# KiCad board FrontEnd_5G.kicad_pcb (continued)
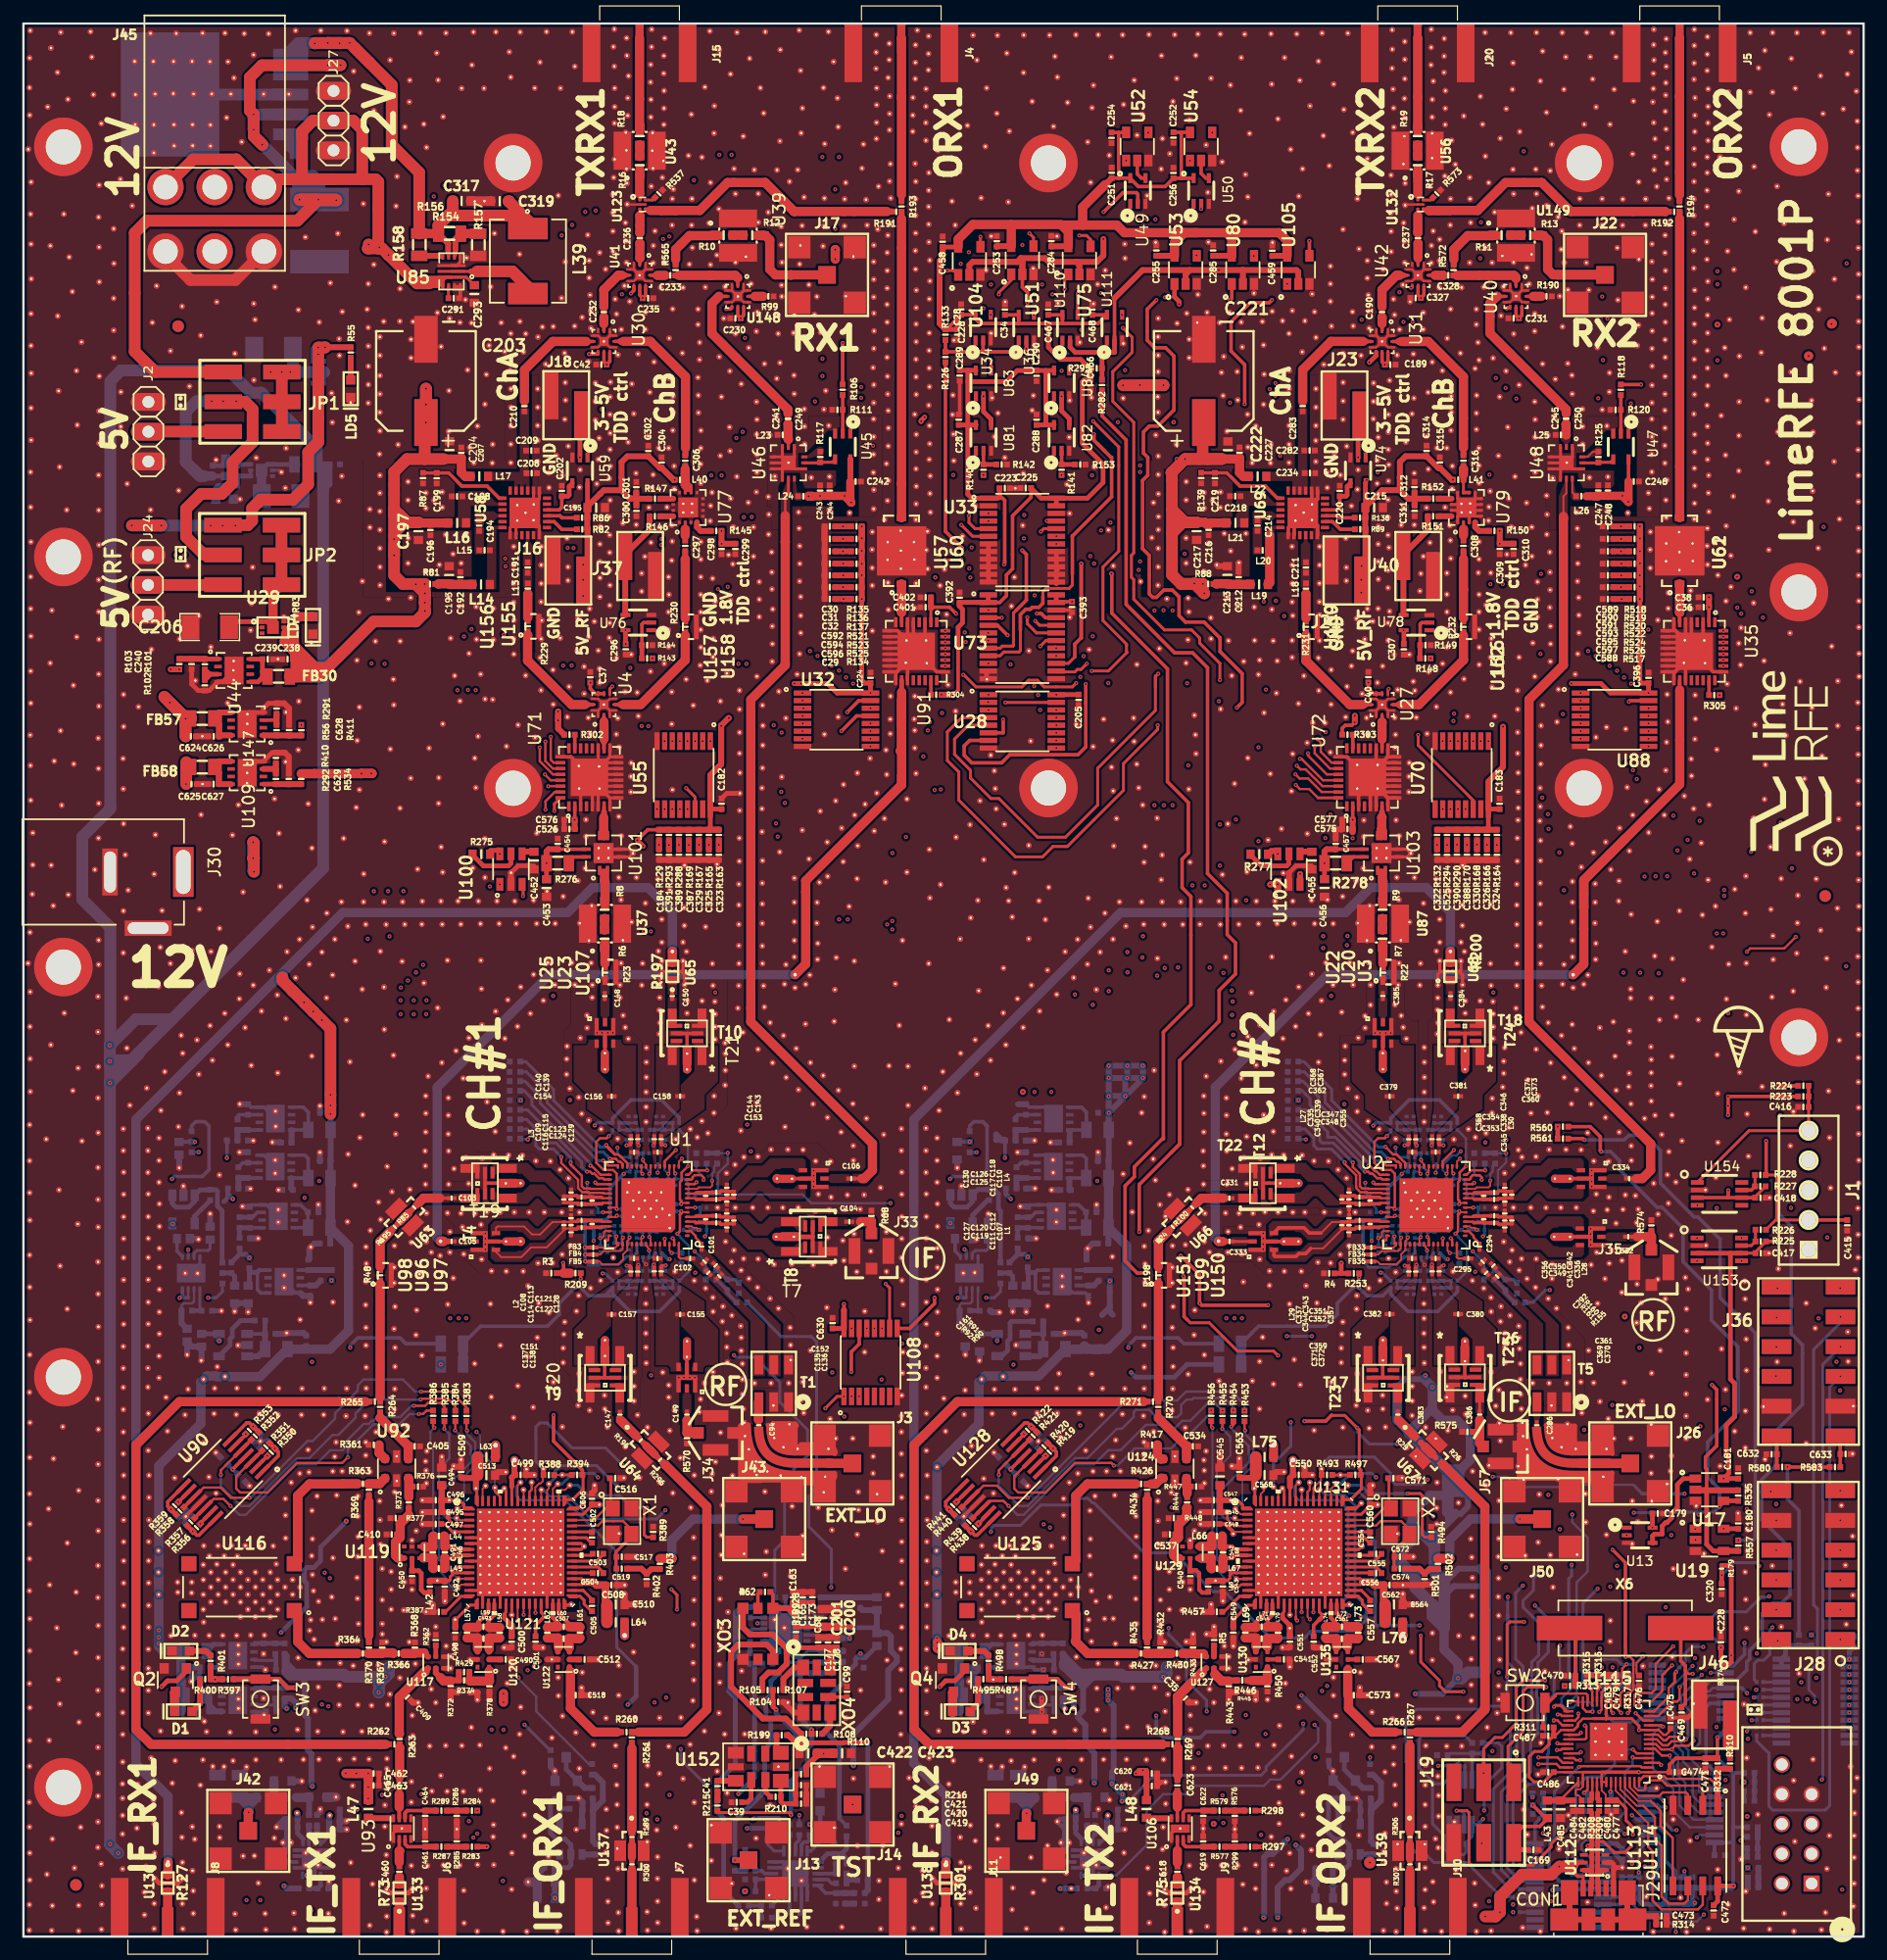
[diagram p0: board, top side]
## Placement (name value [footprint] x y rotation side) (continued)
GND_VIA#1165  VAL**  [GND_VIA#3]  146.13 89.38 90 top
GND_VIA#1166  VAL**  [GND_VIA#3]  149.39 85.4 90 top
GND_VIA#1167  VAL**  [GND_VIA#3]  147.13 78.66 90 top
GND_VIA#1168  VAL**  [GND_VIA#3]  134.07 92.51 90 top
GND_VIA#1169  VAL**  [GND_VIA#3]  145.8 115.18 90 top
GND_VIA#1170  VAL**  [GND_VIA#3]  144.67 71.94 90 top
GND_VIA#1171  VAL**  [GND_VIA#3]  146.55 73.75 90 top
GND_VIA#1172  VAL**  [GND_VIA#3]  151.52 88.86 90 top
GND_VIA#1173  VAL**  [GND_VIA#3]  151.48 86.5 90 top
GND_VIA#1174  VAL**  [GND_VIA#3]  145.61 82.99 90 top
GND_VIA#1175  VAL**  [GND_VIA#3]  142.73 102.19 90 top
GND_VIA#1176  VAL**  [GND_VIA#3]  155.79 59.57 90 top
GND_VIA#1177  VAL**  [GND_VIA#3]  146.99 55.93 90 top
GND_VIA#1178  VAL**  [GND_VIA#3]  147.01 54.42 90 top
GND_VIA#1179  VAL**  [GND_VIA#3]  141.98 49.8 90 top
GND_VIA#1180  VAL**  [GND_VIA#3]  141.98 42.5 90 top
GND_VIA#1181  VAL**  [GND_VIA#3]  143.81 45.83 90 top
GND_VIA#1182  VAL**  [GND_VIA#3]  141.98 44.42 90 top
GND_VIA#1183  VAL**  [GND_VIA#3]  142.15 55.25 90 top
GND_VIA#1184  VAL**  [GND_VIA#3]  146.12 43.12 90 top
GND_VIA#1185  VAL**  [GND_VIA#3]  147.05 44.86 90 top
GND_VIA#1186  VAL**  [GND_VIA#3]  144.88 40.15 90 top
GND_VIA#1187  VAL**  [GND_VIA#3]  147.22 38.25 90 top
GND_VIA#1188  VAL**  [GND_VIA#3]  147.04 41.71 90 top
GND_VIA#1189  VAL**  [GND_VIA#3]  145.34 46.68 90 top
GND_VIA#1190  VAL**  [GND_VIA#3]  146.41 36.12 90 top
GND_VIA#1191  VAL**  [GND_VIA#3]  147.23 32.9 90 top
GND_VIA#1192  VAL**  [GND_VIA#3]  147.23 34.71 90 top
GND_VIA#1193  VAL**  [GND_VIA#3]  156.25 2.58 90 top
GND_VIA#1194  VAL**  [GND_VIA#3]  154.21 8.61 90 top
GND_VIA#1195  VAL**  [GND_VIA#3]  156.21 29.14 90 top
GND_VIA#1196  VAL**  [GND_VIA#3]  147.07 28.77 90 top
GND_VIA#1197  VAL**  [GND_VIA#3]  147.15 15.25 90 top
GND_VIA#1198  VAL**  [GND_VIA#3]  147.13 26.29 90 top
GND_VIA#1199  VAL**  [GND_VIA#3]  147.02 31.11 90 top
GND_VIA#1200  VAL**  [GND_VIA#3]  141.91 56.25 90 top
GND_VIA#1201  VAL**  [GND_VIA#3]  63.85 0.71 180 top
GND_VIA#1202  VAL**  [GND_VIA#3]  57.49 1.7 180 top
GND_VIA#1203  VAL**  [GND_VIA#3]  60.85 0.69 180 top
GND_VIA#1204  VAL**  [GND_VIA#3]  57.53 0.48 180 top
GND_VIA#1205  VAL**  [GND_VIA#3]  142.02 0.39 180 top
GND_VIA#1206  VAL**  [GND_VIA#3]  143.89 0.68 180 top
GND_VIA#1207  VAL**  [GND_VIA#3]  146.89 0.7 180 top
GND_VIA#1208  VAL**  [GND_VIA#3]  124.08 0.44 180 top
GND_VIA#1209  VAL**  [GND_VIA#3]  139.17 0.42 180 top
GND_VIA#1210  VAL**  [GND_VIA#3]  125.33 0.49 180 top
GND_VIA#1211  VAL**  [GND_VIA#3]  128.02 0.76 180 top
GND_VIA#1212  VAL**  [GND_VIA#3]  123.97 2.69 180 top
GND_VIA#1213  VAL**  [GND_VIA#3]  129.53 0.44 180 top
GND_VIA#1214  VAL**  [GND_VIA#3]  147.07 3.86 180 top
GND_VIA#1215  VAL**  [GND_VIA#3]  146.67 6.59 180 top
GND_VIA#1216  VAL**  [GND_VIA#3]  148.1 10.42 180 top
GND_VIA#1217  VAL**  [GND_VIA#3]  104.33 0.63 180 top
GND_VIA#1218  VAL**  [GND_VIA#3]  106.83 0.58 180 top
GND_VIA#1219  VAL**  [GND_VIA#3]  107.86 5.61 180 top
GND_VIA#1220  VAL**  [GND_VIA#3]  108.14 0.44 180 top
GND_VIA#1221  VAL**  [GND_VIA#3]  111.33 0.58 180 top
GND_VIA#1222  VAL**  [GND_VIA#3]  108.22 4.08 180 top
GND_VIA#1223  VAL**  [GND_VIA#3]  109.97 7.38 180 top
GND_VIA#1224  VAL**  [GND_VIA#3]  105.21 4.09 180 top
GND_VIA#1225  VAL**  [GND_VIA#3]  109.36 0.5 180 top
GND_VIA#1226  VAL**  [GND_VIA#3]  104.13 4.45 180 top
GND_VIA#1227  VAL**  [GND_VIA#3]  66.89 0.82 180 top
GND_VIA#1228  VAL**  [GND_VIA#3]  73.06 4.77 180 top
GND_VIA#1229  VAL**  [GND_VIA#3]  69.89 0.81 180 top
GND_VIA#1230  VAL**  [GND_VIA#3]  73.2 0.66 180 top
GND_VIA#1231  VAL**  [GND_VIA#3]  76.01 0.7 180 top
GND_VIA#1232  VAL**  [GND_VIA#3]  85.65 0.67 180 top
GND_VIA#1233  VAL**  [GND_VIA#3]  87.15 4.82 180 top
GND_VIA#1234  VAL**  [GND_VIA#3]  88.66 0.66 180 top
GND_VIA#1235  VAL**  [GND_VIA#3]  92.45 2.48 180 top
GND_VIA#1236  VAL**  [GND_VIA#3]  91.66 0.68 180 top
GND_VIA#1237  VAL**  [GND_VIA#3]  70.55 121.5 90 top
GND_VIA#1238  VAL**  [GND_VIA#3]  76.23 115.48 90 top
GND_VIA#1239  VAL**  [GND_VIA#3]  76.09 113.38 90 top
GND_VIA#1240  VAL**  [GND_VIA#3]  73.86 113.23 90 top
GND_VIA#1241  VAL**  [GND_VIA#3]  37.28 105.44 90 top
GND_VIA#1242  VAL**  [GND_VIA#3]  127.59 102.77 90 top
GND_VIA#1243  VAL**  [GND_VIA#3]  127.59 104.73 90 top
GND_VIA#1244  VAL**  [GND_VIA#3]  127.59 106.34 90 top
GND_VIA#1245  VAL**  [GND_VIA#3]  129.06 107.53 90 top
GND_VIA#1246  VAL**  [GND_VIA#3]  145.8 117.85 90 top
GND_VIA#1247  VAL**  [GND_VIA#3]  113.5 109.72 90 top
GND_VIA#1248  VAL**  [GND_VIA#3]  125.64 104.14 90 top
GND_VIA#1249  VAL**  [GND_VIA#3]  128.88 110.4 90 top
GND_VIA#1250  VAL**  [GND_VIA#3]  134.21 88.26 90 top
GND_VIA#1251  VAL**  [GND_VIA#3]  65.99 75.79 90 top
GND_VIA#1252  VAL**  [GND_VIA#3]  66.18 72.27 90 top
GND_VIA#1253  VAL**  [GND_VIA#3]  131.87 134.25 90 top
GND_VIA#1254  VAL**  [GND_VIA#3]  131.42 137.39 90 top
GND_VIA#1255  VAL**  [GND_VIA#3]  134.4 135.62 90 top
GND_VIA#1256  VAL**  [GND_VIA#3]  132.23 133.24 90 top
GND_VIA#1257  VAL**  [GND_VIA#3]  135.43 131.83 90 top
GND_VIA#1258  VAL**  [GND_VIA#3]  135.44 133.46 90 top
GND_VIA#1259  VAL**  [GND_VIA#3]  136.15 139.67 90 top
GND_VIA#1260  VAL**  [GND_VIA#3]  137.9 137.53 90 top
GND_VIA#1261  VAL**  [GND_VIA#3]  130.38 32.56 90 top
GND_VIA#1262  VAL**  [GND_VIA#3]  133.41 35.36 90 top
GND_VIA#1263  VAL**  [GND_VIA#3]  132.66 32.6 90 top
GND_VIA#1264  VAL**  [GND_VIA#3]  139.04 37.17 90 top
GND_VIA#1265  VAL**  [GND_VIA#3]  146.07 146.55 90 top
GND_VIA#1266  VAL**  [GND_VIA#3]  146.48 148.94 90 top
GND_VIA#1267  VAL**  [GND_VIA#3]  146.52 134.88 90 top
GND_VIA#1268  VAL**  [GND_VIA#3]  145.38 133.21 90 top
GND_VIA#1269  VAL**  [GND_VIA#3]  60.38 158.95 90 top
GND_VIA#1270  VAL**  [GND_VIA#3]  124.83 151.94 90 top
GND_VIA#1271  VAL**  [GND_VIA#3]  48.48 83.09 90 top
GND_VIA#1272  VAL**  [GND_VIA#3]  61.13 93.74 90 top
GND_VIA#1273  VAL**  [GND_VIA#3]  61.16 96.1 90 top
GND_VIA#1274  VAL**  [GND_VIA#3]  61.17 97.56 90 top
GND_VIA#1275  VAL**  [GND_VIA#3]  61.19 99.31 90 top
GND_VIA#1276  VAL**  [GND_VIA#3]  61.15 100.98 90 top
GND_VIA#1277  VAL**  [GND_VIA#3]  72.48 119.88 90 top
GND_VIA#1278  VAL**  [GND_VIA#3]  78.83 112.84 90 top
GND_VIA#1279  VAL**  [GND_VIA#3]  72.48 115.3 90 top
GND_VIA#1280  VAL**  [GND_VIA#3]  72.48 116.81 90 top
GND_VIA#1281  VAL**  [GND_VIA#3]  72.46 118.37 90 top
GND_VIA#1282  VAL**  [GND_VIA#3]  63.14 103.34 90 top
GND_VIA#1283  VAL**  [GND_VIA#3]  63.14 101.67 90 top
GND_VIA#1284  VAL**  [GND_VIA#3]  63.11 99.73 90 top
GND_VIA#1285  VAL**  [GND_VIA#3]  63.07 98.02 90 top
GND_VIA#1286  VAL**  [GND_VIA#3]  63.07 96.25 90 top
GND_VIA#1287  VAL**  [GND_VIA#6]  45.47 154.75 90 top
GND_VIA#1288  VAL**  [GND_VIA#6]  45.48 157.75 90 top
GND_VIA#1289  VAL**  [GND_VIA#3]  32.56 86.38 90 top
GND_VIA#1290  VAL**  [GND_VIA#3]  37.35 86.39 90 top
GND_VIA#1291  VAL**  [GND_VIA#3]  45.41 86.45 90 top
GND_VIA#1292  VAL**  [GND_VIA#3]  40.62 86.44 90 top
GND_VIA#1293  VAL**  [GND_VIA#3]  35.65 88.36 90 top
GND_VIA#1294  VAL**  [GND_VIA#3]  40.44 88.37 90 top
GND_VIA#1295  VAL**  [GND_VIA#3]  32.38 88.31 90 top
GND_VIA#1296  VAL**  [GND_VIA#3]  71.24 93.09 90 top
GND_VIA#1297  VAL**  [GND_VIA#3]  70 91.73 90 top
GND_VIA#1298  VAL**  [GND_VIA#3]  65.83 90.33 90 top
GND_VIA#1299  VAL**  [GND_VIA#3]  65.83 88.27 90 top
GND_VIA#1300  VAL**  [GND_VIA#3]  65.83 86.61 90 top
GND_VIA#1301  VAL**  [GND_VIA#3]  67.83 84.76 90 top
GND_VIA#1302  VAL**  [GND_VIA#3]  67.75 86.49 90 top
GND_VIA#1303  VAL**  [GND_VIA#3]  67.78 88.25 90 top
GND_VIA#1304  VAL**  [GND_VIA#3]  67.97 89.97 90 top
GND_VIA#1305  VAL**  [GND_VIA#3]  61.1 83.04 90 top
GND_VIA#1306  VAL**  [GND_VIA#3]  61.08 81.15 90 top
GND_VIA#1307  VAL**  [GND_VIA#3]  61.09 86.38 90 top
GND_VIA#1308  VAL**  [GND_VIA#3]  61.09 88.04 90 top
GND_VIA#1309  VAL**  [GND_VIA#3]  61.09 89.81 90 top
GND_VIA#1310  VAL**  [GND_VIA#3]  63.09 89.9 90 top
GND_VIA#1311  VAL**  [GND_VIA#3]  63.09 88.13 90 top
GND_VIA#1312  VAL**  [GND_VIA#3]  63.09 86.47 90 top
GND_VIA#1313  VAL**  [GND_VIA#3]  74.02 103.89 90 top
GND_VIA#1314  VAL**  [GND_VIA#3]  74.04 105.85 90 top
GND_VIA#1315  VAL**  [GND_VIA#3]  73.66 101.26 90 top
GND_VIA#1316  VAL**  [GND_VIA#3]  74.02 102.65 90 top
GND_VIA#1317  VAL**  [GND_VIA#3]  76.11 102.94 90 top
GND_VIA#1318  VAL**  [GND_VIA#3]  76.11 105.85 90 top
GND_VIA#1319  VAL**  [GND_VIA#3]  76.07 103.9 90 top
GND_VIA#1320  VAL**  [GND_VIA#3]  106.64 138.69 90 top
GND_VIA#1321  VAL**  [GND_VIA#3]  108.36 138.75 90 top
GND_VIA#1322  VAL**  [GND_VIA#3]  102.98 138.61 90 top
GND_VIA#1323  VAL**  [GND_VIA#3]  101.08 138.61 90 top
GND_VIA#1324  VAL**  [GND_VIA#3]  104.83 138.65 90 top
GND_VIA#1325  VAL**  [GND_VIA#3]  61.01 79.23 90 top
GND_VIA#1326  VAL**  [GND_VIA#3]  68.29 73.48 90 top
GND_VIA#1327  VAL**  [GND_VIA#3]  63.76 77.99 90 top
GND_VIA#1328  VAL**  [GND_VIA#3]  61.44 77.16 90 top
GND_VIA#1329  VAL**  [GND_VIA#3]  140.26 117.38 90 top
GND_VIA#1330  VAL**  [GND_VIA#3]  140.28 118.89 90 top
GND_VIA#1331  VAL**  [GND_VIA#3]  141.38 119.86 90 top
GND_VIA#1332  VAL**  [GND_VIA#3]  141.4 118.16 90 top
GND_VIA#1333  VAL**  [GND_VIA#3]  142.55 117.4 90 top
GND_VIA#1334  VAL**  [GND_VIA#3]  141.4 116.62 90 top
GND_VIA#1335  VAL**  [GND_VIA#3]  142.53 118.89 90 top
GND_VIA#1336  VAL**  [GND_VIA#3]  139 43.69 90 top
GND_VIA#1337  VAL**  [GND_VIA#3]  138.99 39.54 90 top
GND_VIA#1338  VAL**  [GND_VIA#3]  139.01 40.97 90 top
GND_VIA#1339  VAL**  [GND_VIA#3]  135.18 41.62 90 top
GND_VIA#1340  VAL**  [GND_VIA#3]  135.8 42.5 90 top
GND_VIA#1341  VAL**  [GND_VIA#3]  93.59 88.3 90 top
GND_VIA#1342  VAL**  [GND_VIA#3]  122.89 91.42 90 top
GND_VIA#1343  VAL**  [GND_VIA#3]  114.8 102.59 90 top
GND_VIA#1344  VAL**  [GND_VIA#3]  117.17 102.58 90 top
GND_VIA#1345  VAL**  [GND_VIA#3]  48.39 102.59 90 top
GND_VIA#1346  VAL**  [GND_VIA#3]  50.64 102.61 90 top
GND_VIA#1347  VAL**  [GND_VIA#3]  129.49 95.21 90 top
GND_VIA#1348  VAL**  [GND_VIA#3]  127.64 96.32 90 top
GND_VIA#1349  VAL**  [GND_VIA#3]  70.23 18.66 180 top
GND_VIA#1350  VAL**  [GND_VIA#3]  62.56 8.39 180 top
GND_VIA#1351  VAL**  [GND_VIA#3]  71.22 7.75 180 top
GND_VIA#1352  VAL**  [GND_VIA#3]  63.68 3.53 180 top
GND_VIA#1353  VAL**  [GND_VIA#3]  69.23 9.29 180 top
GND_VIA#1354  VAL**  [GND_VIA#3]  63.11 17.27 180 top
GND_VIA#1355  VAL**  [GND_VIA#3]  61.59 17.28 180 top
GND_VIA#1356  VAL**  [GND_VIA#3]  59.88 17.27 180 top
GND_VIA#1357  VAL**  [GND_VIA#3]  138.58 3.4 180 top
GND_VIA#1358  VAL**  [GND_VIA#3]  141.5 3.32 180 top
GND_VIA#1359  VAL**  [GND_VIA#3]  143.5 32.67 90 top
GND_VIA#1360  VAL**  [GND_VIA#3]  137.37 33.52 90 top
GND_VIA#1361  VAL**  [GND_VIA#3]  156.02 14.51 90 top
GND_VIA#1362  VAL**  [GND_VIA#3]  156.25 45.27 90 top
GND_VIA#1363  VAL**  [GND_VIA#3]  148.59 45.23 90 top
GND_VIA#1364  VAL**  [GND_VIA#3]  37.84 143.26 180 top
GND_VIA#1365  VAL**  [GND_VIA#3]  37.75 139.69 180 top
GND_VIA#1366  VAL**  [GND_VIA#3]  39.36 148.1 180 top
GND_VIA#1367  VAL**  [GND_VIA#3]  38.53 148.07 180 top
GND_VIA#1368  VAL**  [GND_VIA#3]  9.3 147.71 90 top
GND_VIA#1369  VAL**  [GND_VIA#3]  24.08 145.03 90 top
GND_VIA#1370  VAL**  [GND_VIA#3]  31.82 147.68 90 top
GND_VIA#1371  VAL**  [GND_VIA#3]  11.37 140.87 90 top
GND_VIA#1372  VAL**  [GND_VIA#3]  8.28 149.98 90 top
GND_VIA#1373  VAL**  [GND_VIA#3]  11.25 157.25 90 top
GND_VIA#1374  VAL**  [GND_VIA#3]  14.53 157.25 90 top
GND_VIA#1375  VAL**  [GND_VIA#3]  12.8 157.28 90 top
GND_VIA#1376  VAL**  [GND_VIA#3]  16.08 157.25 90 top
GND_VIA#1377  VAL**  [GND_VIA#3]  9.57 157.2 90 top
GND_VIA#1378  VAL**  [GND_VIA#3]  11.14 152.23 90 top
GND_VIA#1379  VAL**  [GND_VIA#3]  14.45 152.83 90 top
GND_VIA#1380  VAL**  [GND_VIA#3]  12.86 152.82 90 top
GND_VIA#1381  VAL**  [GND_VIA#3]  15.97 152.81 90 top
GND_VIA#1382  VAL**  [GND_VIA#3]  9.53 152.24 90 top
GND_VIA#1383  VAL**  [GND_VIA#3]  11.09 160.03 90 top
GND_VIA#1384  VAL**  [GND_VIA#3]  14.4 160.03 90 top
GND_VIA#1385  VAL**  [GND_VIA#3]  12.81 160.03 90 top
GND_VIA#1386  VAL**  [GND_VIA#3]  15.92 160 90 top
GND_VIA#1387  VAL**  [GND_VIA#3]  9.5 160.04 90 top
GND_VIA#1388  VAL**  [GND_VIA#3]  9.53 154.63 90 top
GND_VIA#1389  VAL**  [GND_VIA#3]  15.97 154.61 90 top
GND_VIA#1390  VAL**  [GND_VIA#3]  12.86 154.62 90 top
GND_VIA#1391  VAL**  [GND_VIA#3]  14.44 154.63 90 top
GND_VIA#1392  VAL**  [GND_VIA#3]  11.14 154.62 90 top
GND_VIA#1393  VAL**  [GND_VIA#3]  22.67 157.24 90 top
GND_VIA#1394  VAL**  [GND_VIA#3]  17.71 157.24 90 top
GND_VIA#1395  VAL**  [GND_VIA#3]  20.51 157.24 90 top
GND_VIA#1396  VAL**  [GND_VIA#3]  29.92 142.69 90 top
GND_VIA#1397  VAL**  [GND_VIA#3]  32.36 144.05 90 top
GND_VIA#1398  VAL**  [GND_VIA#3]  17.35 155.23 90 top
GND_VIA#1399  VAL**  [GND_VIA#3]  14.18 132.3 90 top
GND_VIA#1400  VAL**  [GND_VIA#3]  26.99 134.93 90 top
GND_VIA#1401  VAL**  [GND_VIA#3]  26.32 131.72 90 top
GND_VIA#1402  VAL**  [GND_VIA#3]  27.95 130.92 90 top
GND_VIA#1403  VAL**  [GND_VIA#3]  99.51 97.92 90 top
GND_VIA#1404  VAL**  [GND_VIA#3]  93.34 95.42 90 top
GND_VIA#1405  VAL**  [GND_VIA#2]  85.7 108.42 90 top
GND_VIA#1406  VAL**  [GND_VIA#3]  84.62 116.01 90 top
GND_VIA#1407  VAL**  [GND_VIA#3]  84.7 123.6 90 top
GND_VIA#1408  VAL**  [GND_VIA#3]  82.27 107.3 90 top
GND_VIA#1409  VAL**  [GND_VIA#3]  84.37 113.54 90 top
GND_VIA#1410  VAL**  [GND_VIA#3]  79.33 129.89 90 top
GND_VIA#1411  VAL**  [GND_VIA#3]  82.72 131.31 90 top
GND_VIA#1412  VAL**  [GND_VIA#3]  83.8 126.22 90 top
GND_VIA#1413  VAL**  [GND_VIA#3]  89.3 127.96 90 top
GND_VIA#1414  VAL**  [GND_VIA#3]  89.34 131.1 90 top
GND_VIA#1415  VAL**  [GND_VIA#3]  100.12 100.95 90 top
GND_VIA#1416  VAL**  [GND_VIA#3]  95.23 98.03 90 top
GND_VIA#1417  VAL**  [GND_VIA#3]  95.07 100.06 90 top
GND_VIA#1418  VAL**  [GND_VIA#3]  92.92 99.8 90 top
GND_VIA#1419  VAL**  [GND_VIA#3]  93.01 102.09 90 top
GND_VIA#1420  VAL**  [GND_VIA#3]  86.01 102.03 90 top
GND_VIA#1421  VAL**  [GND_VIA#3]  135.54 91.06 90 top
GND_VIA#1422  VAL**  [GND_VIA#3]  137.13 92.65 90 top
GND_VIA#1423  VAL**  [GND_VIA#3]  140.12 95.71 90 top
GND_VIA#1424  VAL**  [GND_VIA#3]  93.07 116.98 90 top
GND_VIA#1425  VAL**  [GND_VIA#3]  89.34 121.45 90 top
GND_VIA#1426  VAL**  [GND_VIA#3]  92.64 120.05 90 top
GND_VIA#1427  VAL**  [GND_VIA#3]  89.35 112.59 90 top
GND_VIA#1428  VAL**  [GND_VIA#3]  86.4 135.68 90 top
GND_VIA#1429  VAL**  [GND_VIA#3]  93.92 135.95 90 top
GND_VIA#1430  VAL**  [GND_VIA#3]  88.34 139.39 90 top
GND_VIA#1431  VAL**  [GND_VIA#3]  91.37 139.34 90 top
GND_VIA#1432  VAL**  [GND_VIA#3]  83.84 139.51 90 top
GND_VIA#1433  VAL**  [GND_VIA#3]  90.21 136.05 90 top
GND_VIA#1434  VAL**  [GND_VIA#3]  79.37 131.55 90 top
GND_VIA#1435  VAL**  [GND_VIA#3]  86.24 131.51 90 top
GND_VIA#1436  VAL**  [GND_VIA#3]  91.2 131.34 90 top
GND_VIA#1437  VAL**  [GND_VIA#3]  82.64 145.11 90 top
GND_VIA#1438  VAL**  [GND_VIA#3]  88.26 145.11 90 top
GND_VIA#1439  VAL**  [GND_VIA#3]  96.68 144.58 90 top
GND_VIA#1440  VAL**  [GND_VIA#3]  101.19 144.61 90 top
GND_VIA#1441  VAL**  [GND_VIA#3]  106.66 144.57 90 top
GND_VIA#1442  VAL**  [GND_VIA#3]  110.04 140.18 90 top
GND_VIA#1443  VAL**  [GND_VIA#3]  105.08 140.25 90 top
GND_VIA#1444  VAL**  [GND_VIA#3]  100.29 140.13 90 top
GND_VIA#1445  VAL**  [GND_VIA#3]  91.73 141.01 90 top
GND_VIA#1446  VAL**  [GND_VIA#3]  82.2 142.21 90 top
GND_VIA#1447  VAL**  [GND_VIA#3]  86.23 142.36 90 top
GND_VIA#1448  VAL**  [GND_VIA#3]  136.1 144.12 90 top
GND_VIA#1449  VAL**  [GND_VIA#3]  137.95 143.15 90 top
GND_VIA#1450  VAL**  [GND_VIA#3]  91.45 125.43 90 top
GND_VIA#1451  VAL**  [GND_VIA#3]  82.93 128 90 top
GND_VIA#1452  VAL**  [GND_VIA#3]  82.63 136.83 90 top
GND_VIA#1453  VAL**  [GND_VIA#3]  79.46 136.23 90 top
GND_VIA#1454  VAL**  [GND_VIA#3]  148.71 40.73 90 top
GND_VIA#1455  VAL**  [GND_VIA#3]  156.19 41.2 90 top
GND_VIA#1456  VAL**  [GND_VIA#3]  156.19 34.17 90 top
GND_VIA#1457  VAL**  [GND_VIA#3]  149.33 31.64 90 top
GND_VIA#1458  VAL**  [GND_VIA#3]  155.24 36.8 90 top
GND_VIA#1459  VAL**  [GND_VIA#3]  151.63 22.45 90 top
GND_VIA#1460  VAL**  [GND_VIA#3]  142.32 8.18 90 top
GND_VIA#1461  VAL**  [GND_VIA#3]  131.12 7.47 90 top
GND_VIA#1462  VAL**  [GND_VIA#3]  128.1 10.84 90 top
GND_VIA#1463  VAL**  [GND_VIA#3]  95.96 148.57 90 top
GND_VIA#1464  VAL**  [GND_VIA#3]  101.14 148.85 90 top
GND_VIA#1465  VAL**  [GND_VIA#3]  102.36 151.45 90 top
GND_VIA#1466  VAL**  [GND_VIA#3]  97.15 150.85 90 top
GND_VIA#1467  VAL**  [GND_VIA#3]  97.26 153.44 90 top
GND_VIA#1468  VAL**  [GND_VIA#3]  92.72 152.01 90 top
GND_VIA#1469  VAL**  [GND_VIA#3]  70.87 143.38 90 top
GND_VIA#1470  VAL**  [GND_VIA#3]  73.86 124.25 90 top
GND_VIA#1471  VAL**  [GND_VIA#3]  73.78 122.54 90 top
GND_VIA#1472  VAL**  [GND_VIA#3]  72.61 123.47 90 top
GND_VIA#1473  VAL**  [GND_VIA#3]  73.53 120.92 90 top
GND_VIA#1474  VAL**  [GND_VIA#3]  76.21 120.92 90 top
GND_VIA#1475  VAL**  [GND_VIA#3]  76.23 122.27 90 top
GND_VIA#1476  VAL**  [GND_VIA#3]  76.24 123.77 90 top
GND_VIA#1477  VAL**  [GND_VIA#3]  77.43 124.65 90 top
GND_VIA#1478  VAL**  [GND_VIA#3]  77.41 123.15 90 top
GND_VIA#1479  VAL**  [GND_VIA#3]  77.45 121.55 90 top
GND_VIA#1480  VAL**  [GND_VIA#3]  85.38 124.87 90 top
GND_VIA#1481  VAL**  [GND_VIA#3]  76.21 125.25 90 top
GND_VIA#1482  VAL**  [GND_VIA#3]  89.1 123.93 90 top
GND_VIA#1483  VAL**  [GND_VIA#3]  72.58 124.95 90 top
GND_VIA#1484  VAL**  [GND_VIA#3]  68.51 131.92 90 top
GND_VIA#1485  VAL**  [GND_VIA#3]  73.7 125.7 90 top
GND_VIA#1486  VAL**  [GND_VIA#3]  143.79 120.18 90 top
GND_VIA#1487  VAL**  [GND_VIA#3]  143.77 118.68 90 top
GND_VIA#1488  VAL**  [GND_VIA#3]  143.81 117.08 90 top
GND_VIA#1489  VAL**  [GND_VIA#3]  77.19 119.92 90 top
GND_VIA#1490  VAL**  [GND_VIA#3]  77.21 116.72 90 top
GND_VIA#1491  VAL**  [GND_VIA#3]  72.49 111.43 90 top
GND_VIA#1492  VAL**  [GND_VIA#3]  85.86 109.73 90 top
GND_VIA#1493  VAL**  [GND_VIA#3]  91 109.83 90 top
GND_VIA#1494  VAL**  [GND_VIA#3]  97 109.92 90 top
GND_VIA#1495  VAL**  [GND_VIA#3]  79.6 104.58 90 top
GND_VIA#1496  VAL**  [GND_VIA#3]  68.4 102.6 90 top
GND_VIA#1497  VAL**  [GND_VIA#3]  72.3 100.55 90 top
GND_VIA#1498  VAL**  [GND_VIA#3]  80.83 94.89 90 top
GND_VIA#1499  VAL**  [GND_VIA#3]  79.64 93.82 90 top
GND_VIA#1500  VAL**  [GND_VIA#3]  77.36 92.77 90 top
GND_VIA#1501  VAL**  [GND_VIA#3]  75.44 90.83 90 top
GND_VIA#1502  VAL**  [GND_VIA#3]  71.18 90.28 90 top
GND_VIA#1503  VAL**  [GND_VIA#3]  73.62 89.98 90 top
GND_VIA#1504  VAL**  [GND_VIA#3]  70.51 87.91 90 top
GND_VIA#1505  VAL**  [GND_VIA#3]  70.95 83.25 90 top
GND_VIA#1506  VAL**  [GND_VIA#3]  79.06 78.25 90 top
GND_VIA#1507  VAL**  [GND_VIA#3]  83.69 82.65 90 top
GND_VIA#1508  VAL**  [GND_VIA#3]  85.85 85.15 90 top
GND_VIA#1509  VAL**  [GND_VIA#3]  79.99 85.13 90 top
GND_VIA#1510  VAL**  [GND_VIA#3]  80.89 86.94 90 top
GND_VIA#1511  VAL**  [GND_VIA#3]  81.5 88.43 90 top
GND_VIA#1512  VAL**  [GND_VIA#3]  97.16 90.19 90 top
GND_VIA#1513  VAL**  [GND_VIA#3]  103.42 98.39 90 top
GND_VIA#1514  VAL**  [GND_VIA#3]  106.47 99.23 90 top
GND_VIA#1515  VAL**  [GND_VIA#3]  105.94 104.44 90 top
GND_VIA#1516  VAL**  [GND_VIA#3]  96.66 64.55 90 top
GND_VIA#1517  VAL**  [GND_VIA#3]  96.47 66.36 90 top
GND_VIA#1518  VAL**  [GND_VIA#3]  32.18 110.55 90 top
GND_VIA#1519  VAL**  [GND_VIA#3]  31.59 107.3 90 top
GND_VIA#1520  VAL**  [GND_VIA#3]  31.63 105.11 90 top
GND_VIA#1521  VAL**  [GND_VIA#3]  28.69 104.92 90 top
GND_VIA#1522  VAL**  [GND_VIA#3]  43.69 102.34 90 top
GND_VIA#1523  VAL**  [GND_VIA#3]  38.82 102.43 90 top
GND_VIA#1524  VAL**  [GND_VIA#3]  28.5 102.07 90 top
GND_VIA#1525  VAL**  [GND_VIA#3]  149.1 0.63 180 top
GND_VIA#1526  VAL**  [GND_VIA#3]  156.05 0.76 180 top
GND_VIA#1527  VAL**  [GND_VIA#3]  153.53 0.57 180 top
GND_VIA#1528  VAL**  [GND_VIA#3]  151.18 0.45 180 top
GND_VIA#1529  VAL**  [GND_VIA#3]  146.92 19.83 90 top
GND_VIA#1530  VAL**  [GND_VIA#3]  89.92 103.46 90 top
GND_VIA#1531  VAL**  [GND_VIA#3]  81.57 80.72 90 top
GND_VIA#1532  VAL**  [GND_VIA#3]  143.86 90.19 90 top
GND_VIA#1533  VAL**  [GND_VIA#3]  142.29 91.95 90 top
GND_VIA#1534  VAL**  [GND_VIA#3]  141.4 87.53 90 top
GND_VIA#1535  VAL**  [GND_VIA#3]  109.64 94.12 90 top
GND_VIA#1536  VAL**  [GND_VIA#3]  107.42 94.53 90 top
GND_VIA#1537  VAL**  [GND_VIA#3]  106.29 93.59 90 top
GND_VIA#1538  VAL**  [GND_VIA#3]  104.48 90.87 90 top
GND_VIA#1539  VAL**  [GND_VIA#3]  91.34 101.55 90 top
GND_VIA#1540  VAL**  [GND_VIA#3]  84.44 87.01 90 top
GND_VIA#1541  VAL**  [GND_VIA#3]  84.13 88.39 90 top
GND_VIA#1542  VAL**  [GND_VIA#3]  83.91 89.52 90 top
GND_VIA#1543  VAL**  [GND_VIA#3]  87.55 89.54 90 top
GND_VIA#1544  VAL**  [GND_VIA#3]  120.3 155.28 90 top
GND_VIA#1545  VAL**  [GND_VIA#3]  120.3 156.78 90 top
GND_VIA#1546  VAL**  [GND_VIA#3]  120.29 153.88 90 top
GND_VIA#1547  VAL**  [GND_VIA#3]  121.4 154.63 90 top
GND_VIA#1548  VAL**  [GND_VIA#3]  121.95 153.29 90 top
GND_VIA#1549  VAL**  [GND_VIA#3]  121.42 157.53 90 top
GND_VIA#1550  VAL**  [GND_VIA#3]  121.42 156.03 90 top
GND_VIA#1551  VAL**  [GND_VIA#3]  143.85 156.18 90 top
GND_VIA#1552  VAL**  [GND_VIA#3]  143.86 157.68 90 top
GND_VIA#1553  VAL**  [GND_VIA#3]  143.85 153.28 90 top
GND_VIA#1554  VAL**  [GND_VIA#3]  143.83 154.79 90 top
GND_VIA#1555  VAL**  [GND_VIA#3]  142.71 154.04 90 top
GND_VIA#1556  VAL**  [GND_VIA#3]  142.74 156.93 90 top
GND_VIA#1557  VAL**  [GND_VIA#3]  142.73 155.43 90 top
GND_VIA#1558  VAL**  [GND_VIA#3]  142.67 152.57 90 top
GND_VIA#1559  VAL**  [GND_VIA#3]  143.77 151.87 90 top
GND_VIA#1560  VAL**  [GND_VIA#3]  139.32 153.43 90 top
GND_VIA#1561  VAL**  [GND_VIA#3]  139.21 154.8 90 top
GND_VIA#1562  VAL**  [GND_VIA#3]  140.39 152.62 90 top
GND_VIA#1563  VAL**  [GND_VIA#3]  140.26 154.25 90 top
GND_VIA#1564  VAL**  [GND_VIA#3]  140.23 157.15 90 top
GND_VIA#1565  VAL**  [GND_VIA#3]  140.2 155.76 90 top
GND_VIA#1566  VAL**  [GND_VIA#3]  139.18 157.7 90 top
GND_VIA#1567  VAL**  [GND_VIA#3]  139.13 156.56 90 top
GND_VIA#1568  VAL**  [GND_VIA#3]  117.92 153.65 90 top
GND_VIA#1569  VAL**  [GND_VIA#3]  117.92 155.22 90 top
GND_VIA#1570  VAL**  [GND_VIA#3]  117.92 156.87 90 top
GND_VIA#1571  VAL**  [GND_VIA#3]  115.69 152.58 90 top
GND_VIA#1572  VAL**  [GND_VIA#3]  71.73 152.96 90 top
GND_VIA#1573  VAL**  [GND_VIA#3]  78.1 152.43 90 top
GND_VIA#1574  VAL**  [GND_VIA#3]  72.95 145.7 90 top
GND_VIA#1575  VAL**  [GND_VIA#3]  79.29 148.09 90 top
GND_VIA#1576  VAL**  [GND_VIA#3]  91.13 149.7 90 top
GND_VIA#1577  VAL**  [GND_VIA#3]  84.1 148.03 90 top
GND_VIA#1578  VAL**  [GND_VIA#3]  79.91 150.62 90 top
GND_VIA#1579  VAL**  [GND_VIA#3]  145.51 154.98 90 top
GND_VIA#1580  VAL**  [GND_VIA#3]  144.88 151.87 90 top
GND_VIA#1581  VAL**  [GND_VIA#3]  154.03 144.81 90 top
GND_VIA#1582  VAL**  [GND_VIA#3]  147.79 151.05 90 top
GND_VIA#1583  VAL**  [GND_VIA#3]  149.7 142.93 90 top
GND_VIA#1584  VAL**  [GND_VIA#3]  150.34 146.2 90 top
GND_VIA#1585  VAL**  [GND_VIA#3]  150.1 26.44 90 top
GND_VIA#1586  VAL**  [GND_VIA#3]  18.06 135.1 90 top
GND_VIA#1587  VAL**  [GND_VIA#3]  19.68 132.83 90 top
GND_VIA#1588  VAL**  [GND_VIA#3]  90.88 153.15 90 top
GND_VIA#1589  VAL**  [GND_VIA#3]  87.96 154.48 90 top
GND_VIA#1590  VAL**  [GND_VIA#3]  84.19 154.07 90 top
GND_VIA#1591  VAL**  [GND_VIA#3]  95.1 153.73 90 top
GND_VIA#1592  VAL**  [GND_VIA#3]  97.89 152.15 90 top
GND_VIA#1593  VAL**  [GND_VIA#3]  100.99 152.9 90 top
GND_VIA#1594  VAL**  [GND_VIA#3]  99.58 155.04 90 top
GND_VIA#1595  VAL**  [GND_VIA#3]  92.38 142.2 90 top
GND_VIA#1596  VAL**  [GND_VIA#3]  94.07 143.23 90 top
GND_VIA#1597  VAL**  [GND_VIA#3]  94.04 144.44 90 top
GND_VIA#1598  VAL**  [GND_VIA#3]  102.3 133.48 90 top
GND_VIA#1599  VAL**  [GND_VIA#3]  104.53 129.91 90 top
GND_VIA#1600  VAL**  [GND_VIA#3]  103.69 131.13 90 top
GND_VIA#1601  VAL**  [GND_VIA#3]  102.44 131.5 90 top
GND_VIA#1602  VAL**  [GND_VIA#3]  93.91 131.28 90 top
GND_VIA#1603  VAL**  [GND_VIA#3]  103.65 133.55 90 top
GND_VIA#1604  VAL**  [GND_VIA#3]  102.5 134.84 90 top
GND_VIA#1605  VAL**  [GND_VIA#3]  86.14 130.25 90 top
GND_VIA#1606  VAL**  [GND_VIA#3]  83.22 130.01 90 top
GND_VIA#1607  VAL**  [GND_VIA#3]  79.45 125.95 90 top
GND_VIA#1608  VAL**  [GND_VIA#3]  79.42 128.22 90 top
GND_VIA#1609  VAL**  [GND_VIA#3]  80.19 119.51 90 top
GND_VIA#1610  VAL**  [GND_VIA#3]  85.34 120.43 90 top
GND_VIA#1611  VAL**  [GND_VIA#3]  78.28 115.3 90 top
GND_VIA#1612  VAL**  [GND_VIA#3]  78.66 116.68 90 top
GND_VIA#1613  VAL**  [GND_VIA#3]  60.07 107.8 90 top
GND_VIA#1614  VAL**  [GND_VIA#3]  55.36 103.48 90 top
GND_VIA#1615  VAL**  [GND_VIA#3]  55.42 97.87 90 top
GND_VIA#1616  VAL**  [GND_VIA#3]  68.04 96.04 90 top
GND_VIA#1617  VAL**  [GND_VIA#3]  108.38 100.93 90 top
GND_VIA#1618  VAL**  [GND_VIA#3]  108.28 97.75 90 top
GND_VIA#1619  VAL**  [GND_VIA#6]  48.7 152.41 90 top
GND_VIA#1620  VAL**  [GND_VIA#3]  53.55 158.25 90 top
GND_VIA#1621  VAL**  [GND_VIA#3]  53.56 159.75 90 top
GND_VIA#1622  VAL**  [GND_VIA#3]  54.69 160.5 90 top
GND_VIA#1623  VAL**  [GND_VIA#3]  54.67 159 90 top
GND_VIA#1624  VAL**  [GND_VIA#3]  54.75 162.02 90 top
GND_VIA#1625  VAL**  [GND_VIA#3]  48.7 156.87 90 top
GND_VIA#1626  VAL**  [GND_VIA#3]  53.64 162.77 90 top
GND_VIA#1627  VAL**  [GND_VIA#3]  53.64 161.27 90 top